# KiCad board motordecoder2-K3057.kicad_pcb
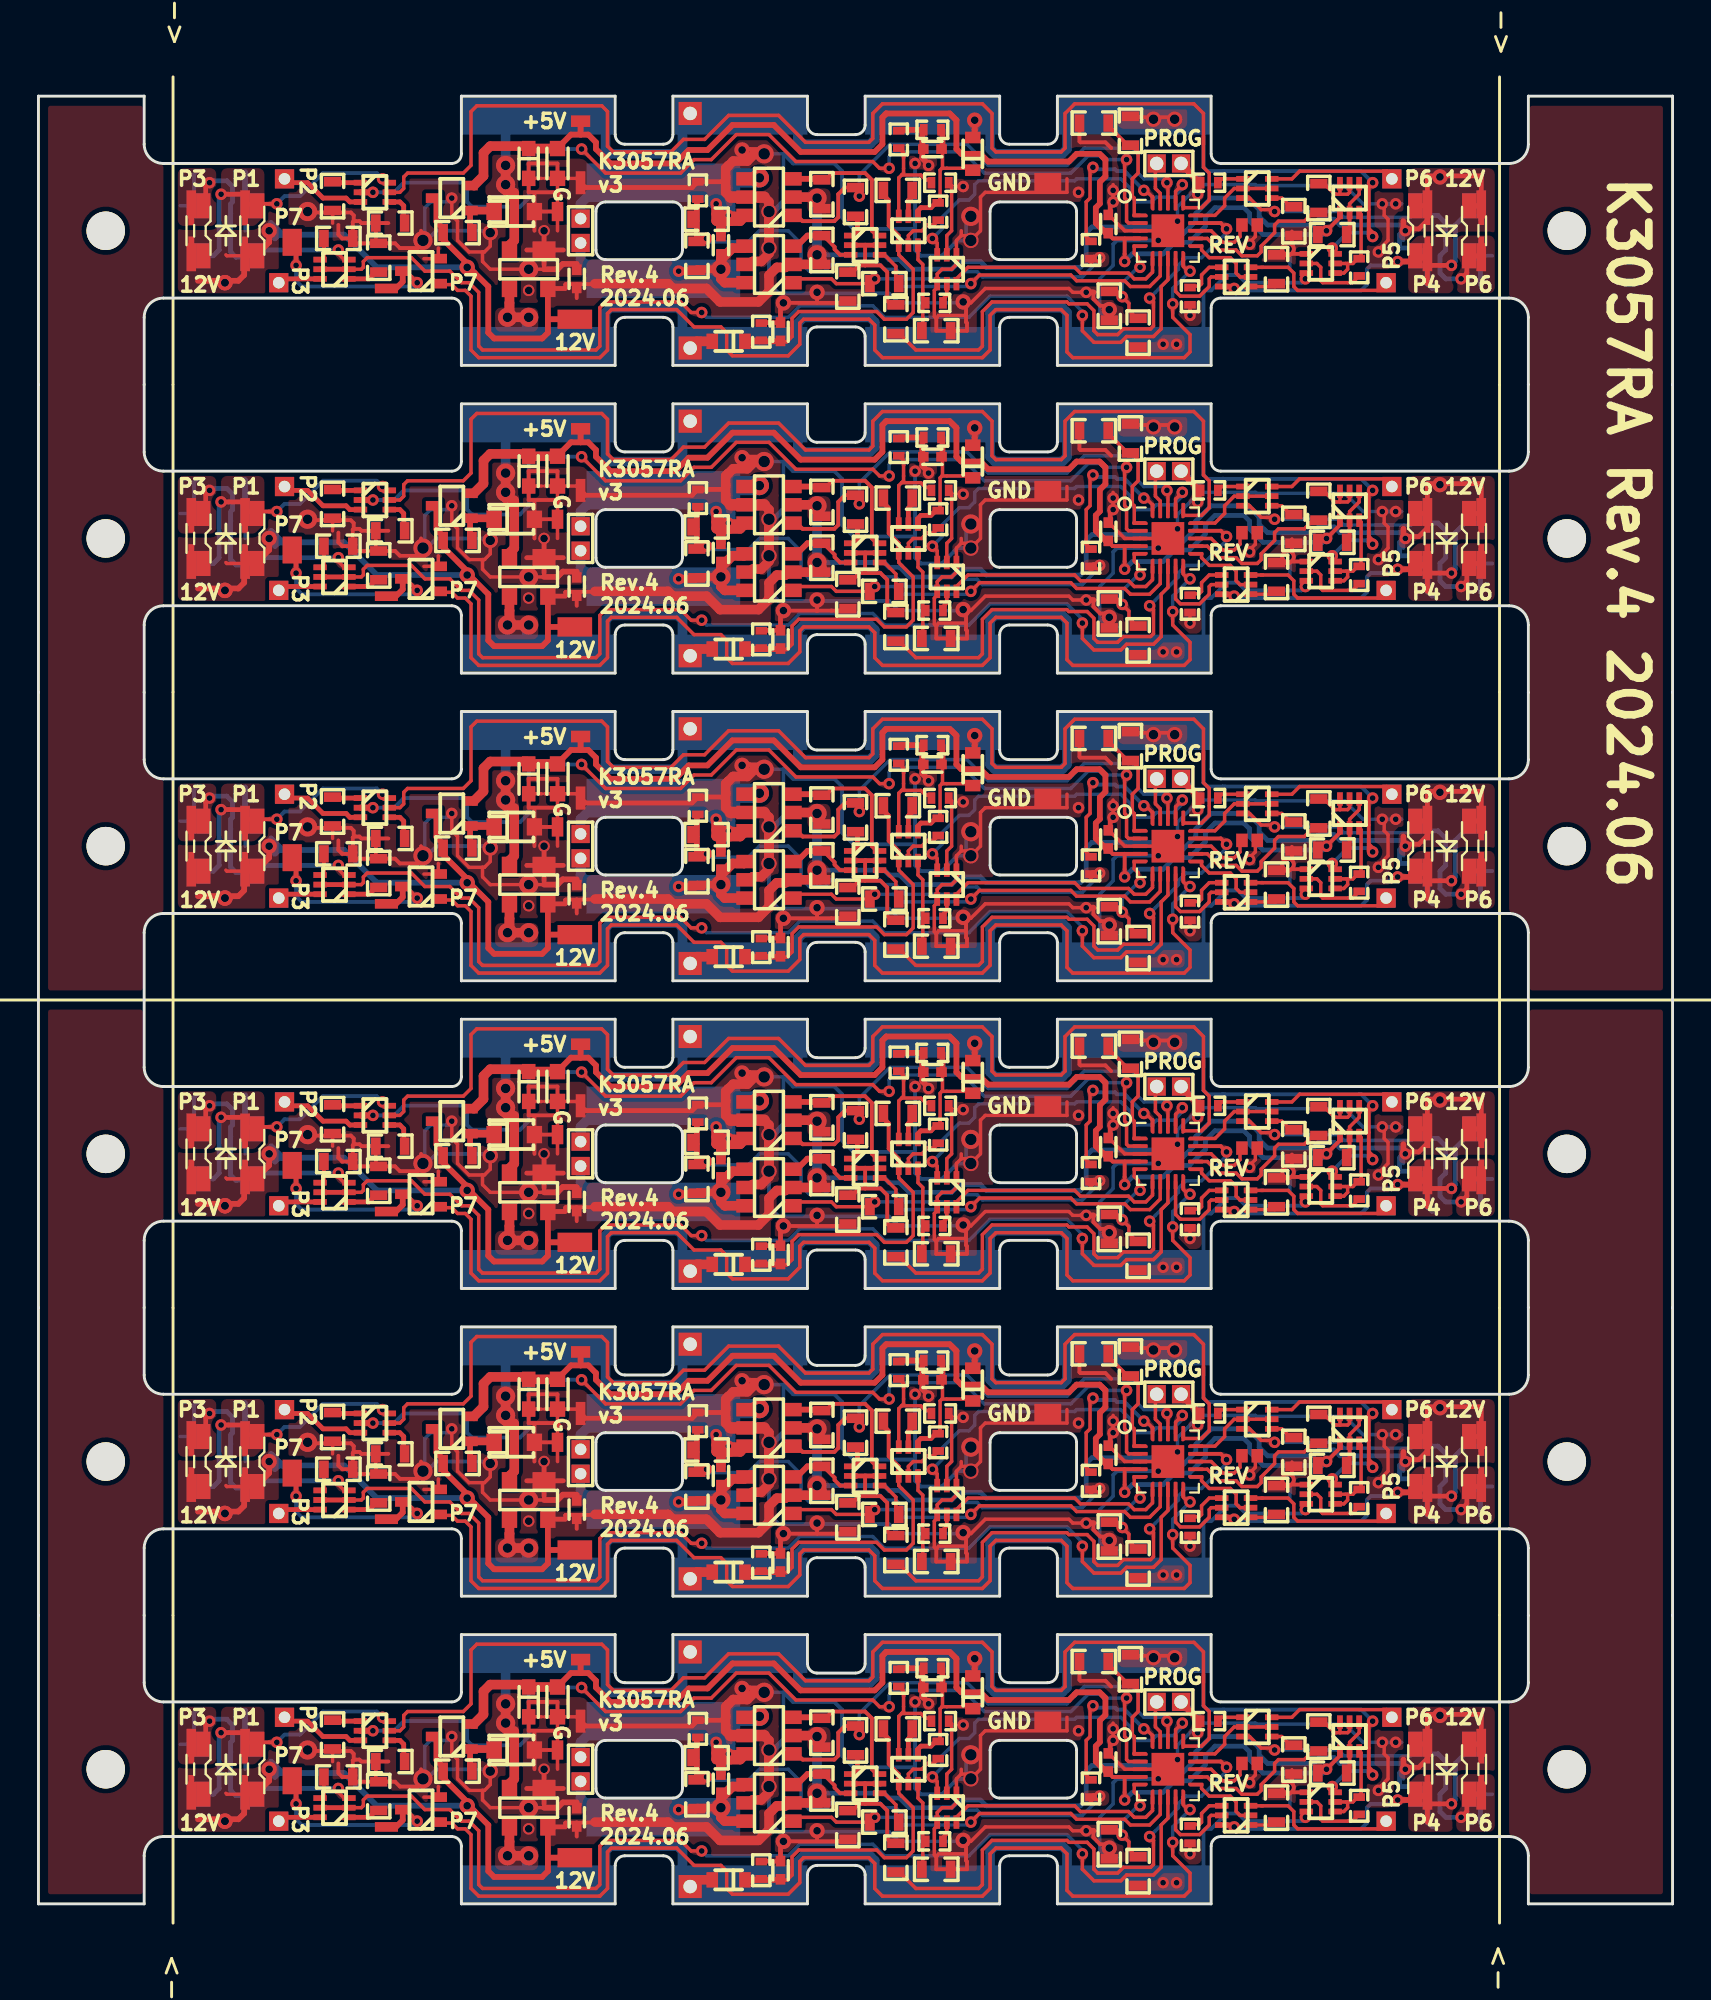
[diagram p0: board, top side]
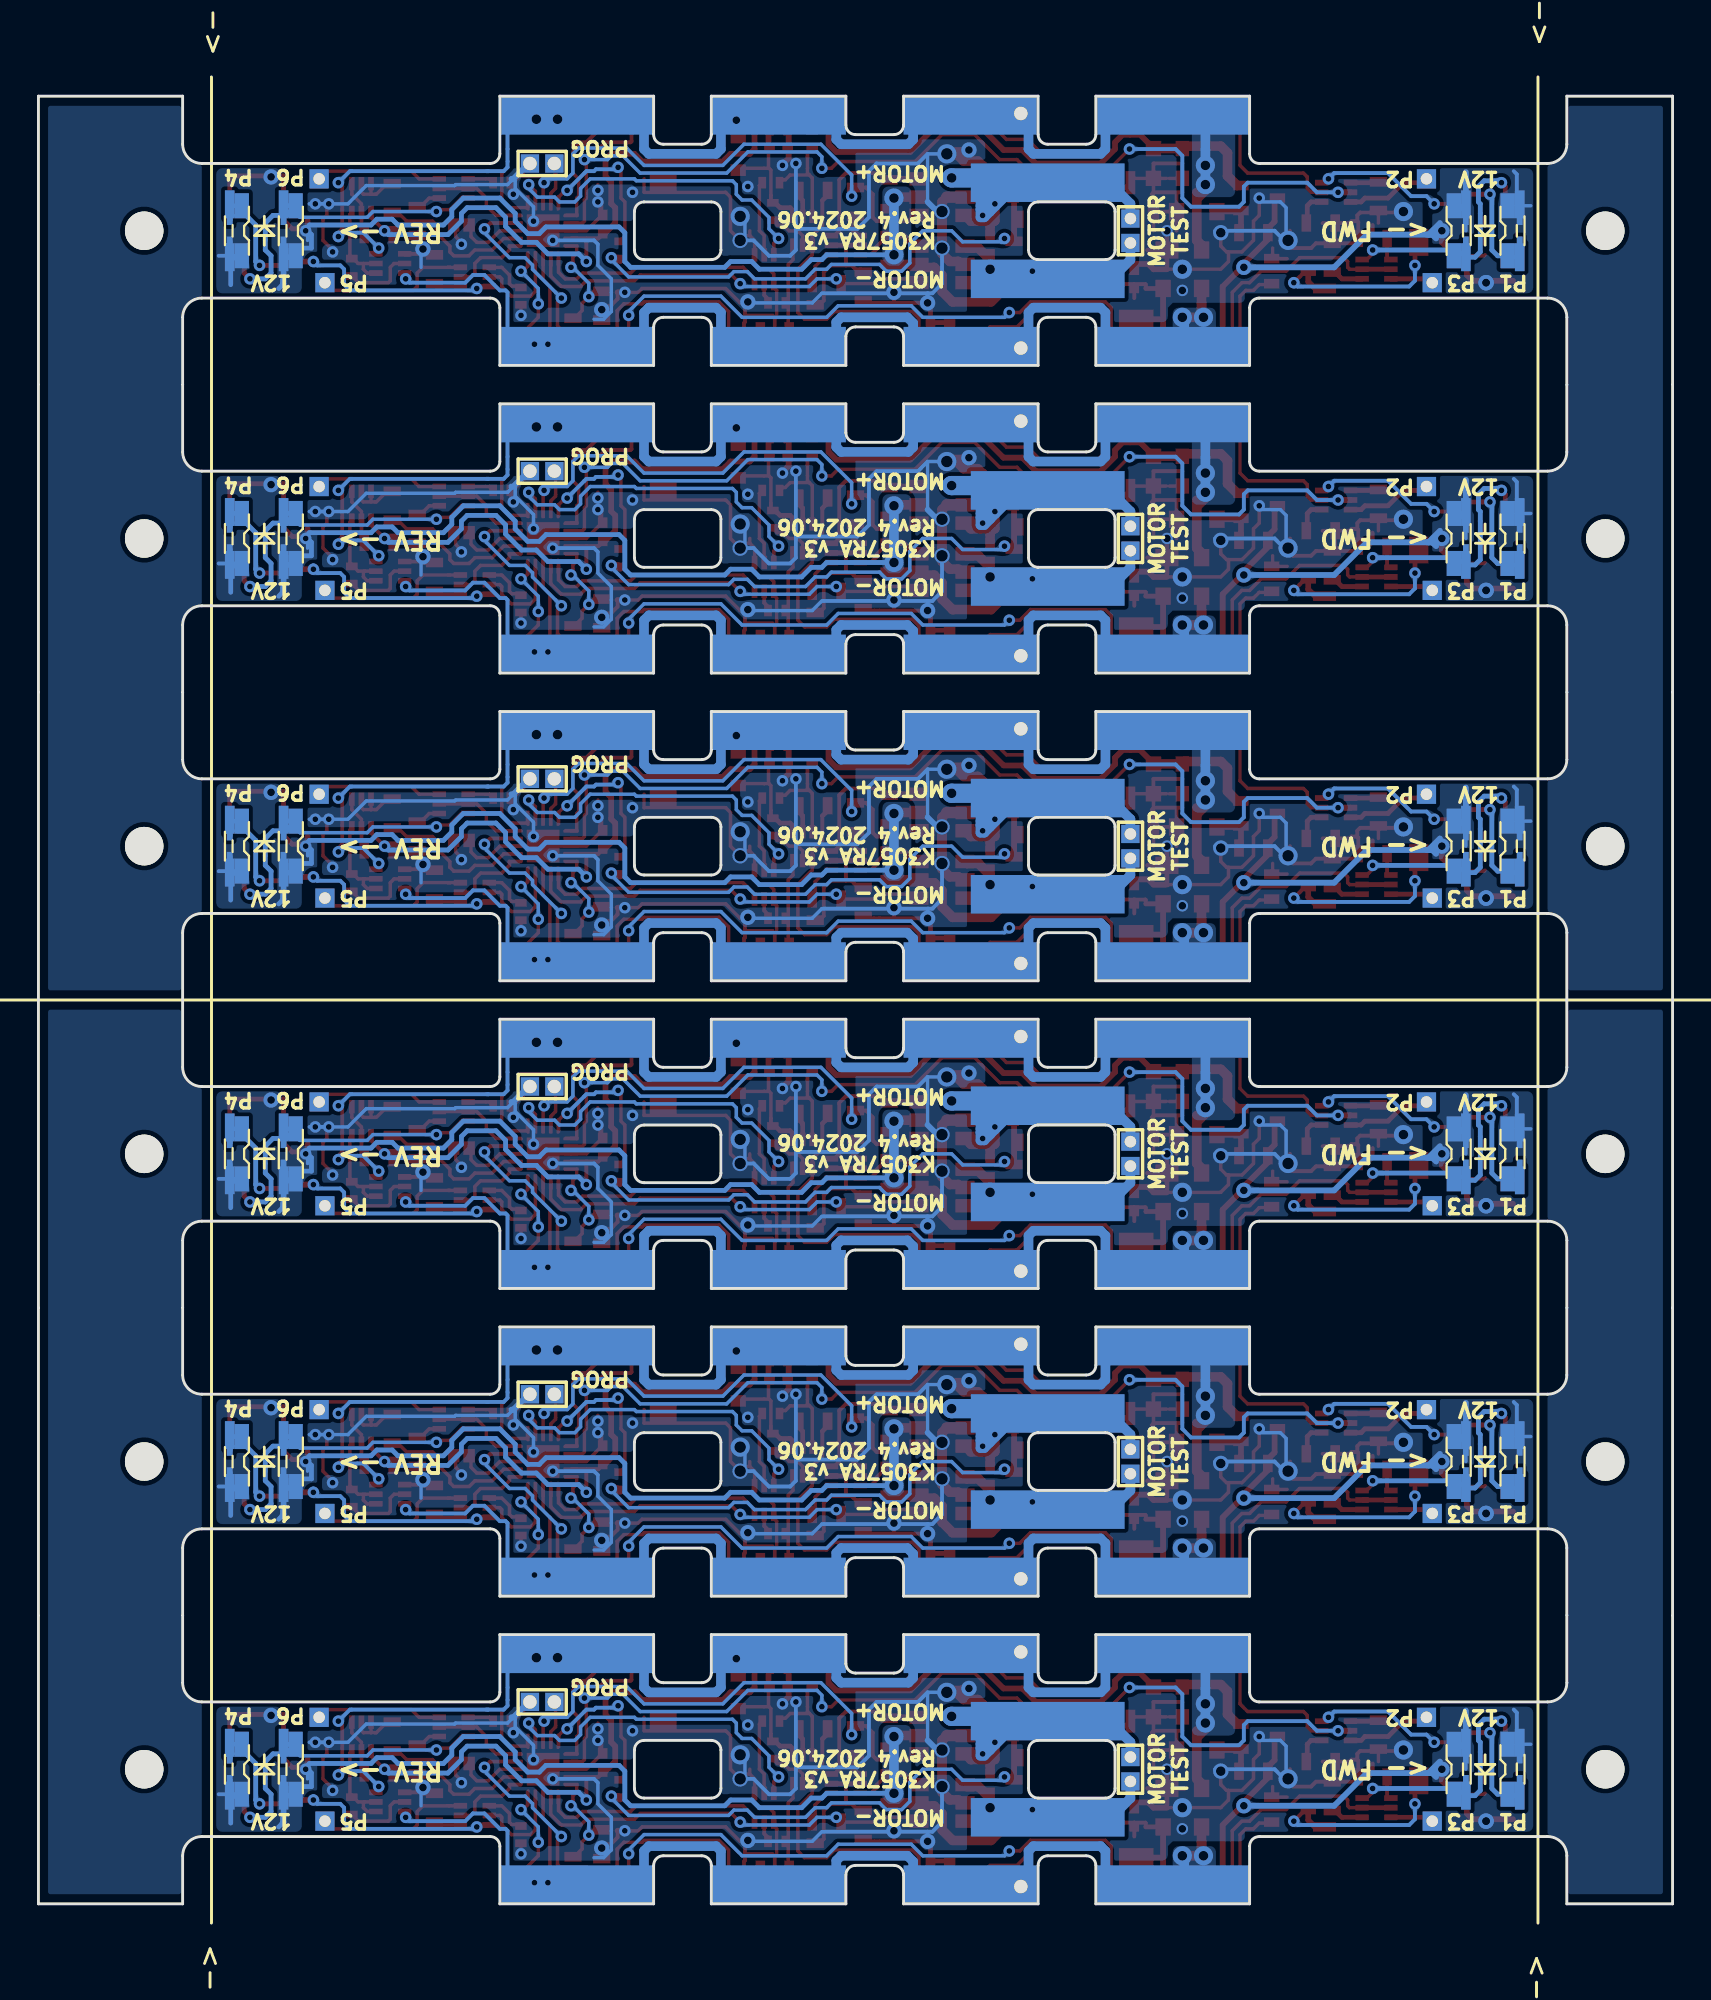
[diagram p1: board, bottom side, seen from below]

Outline 85 x 94 mm; copper layers: Top, Bottom. Coordinates in mm from the lower left corner of the outline.
Outline path: 0,94 0,0 5.5,0 5.5,2.5 arc(5.79,3.21) 6.5,3.5 21.5,3.5 arc(21.85,3.35) 22,3 22,0 30,0 30,2 arc(30.15,2.35) 30.5,2.5 32.5,2.5 arc(32.85,2.35) 33,2 33,0 40,0 40,1.5 arc(40.15,1.85) 40.5,2 42.5,2 arc(42.85,1.85) 43,1.5 43,0 50,0 50,2 arc(50.15,2.35) 50.5,2.5 52.5,2.5 arc(52.85,2.35) 53,2 53,0 61,0 61,3 arc(61.15,3.35) 61.5,3.5 76.5,3.5 arc(77.21,3.21) 77.5,2.5 77.5,0 85,0 85,94 77.5,94 77.5,91.5 arc(77.21,90.79) 76.5,90.5 61.5,90.5 arc(61.15,90.65) 61,91 61,94 53,94 53,92 arc(52.85,91.65) 52.5,91.5 50.5,91.5 arc(50.15,91.65) 50,92 50,94 43,94 43,92.5 arc(42.85,92.15) 42.5,92 40.5,92 arc(40.15,92.15) 40,92.5 40,94 33,94 33,92 arc(32.85,91.65) 32.5,91.5 30.5,91.5 arc(30.15,91.65) 30,92 30,94 22,94 22,91 arc(21.85,90.65) 21.5,90.5 6.5,90.5 arc(5.79,90.79) 5.5,91.5 5.5,94 0,94 ; 5.5,82.5 5.5,75.5 arc(5.79,74.79) 6.5,74.5 21.5,74.5 arc(21.85,74.65) 22,75 22,78 30,78 30,76 arc(30.15,75.65) 30.5,75.5 32.5,75.5 arc(32.85,75.65) 33,76 33,78 40,78 40,76.5 arc(40.15,76.15) 40.5,76 42.5,76 arc(42.85,76.15) 43,76.5 43,78 50,78 50,76 arc(50.15,75.65) 50.5,75.5 52.5,75.5 arc(52.85,75.65) 53,76 53,78 61,78 61,75 arc(61.15,74.65) 61.5,74.5 76.5,74.5 arc(77.21,74.79) 77.5,75.5 77.5,82.5 arc(77.21,83.21) 76.5,83.5 61.5,83.5 arc(61.15,83.35) 61,83 61,80 53,80 53,82 arc(52.85,82.35) 52.5,82.5 50.5,82.5 arc(50.15,82.35) 50,82 50,80 43,80 43,81.5 arc(42.85,81.85) 42.5,82 40.5,82 arc(40.15,81.85) 40,81.5 40,80 33,80 33,82 arc(32.85,82.35) 32.5,82.5 30.5,82.5 arc(30.15,82.35) 30,82 30,80 22,80 22,83 arc(21.85,83.35) 21.5,83.5 6.5,83.5 arc(5.79,83.21) 5.5,82.5 ; 5.5,66.5 5.5,59.5 arc(5.79,58.79) 6.5,58.5 21.5,58.5 arc(21.85,58.65) 22,59 22,62 30,62 30,60 arc(30.15,59.65) 30.5,59.5 32.5,59.5 arc(32.85,59.65) 33,60 33,62 40,62 40,60.5 arc(40.15,60.15) 40.5,60 42.5,60 arc(42.85,60.15) 43,60.5 43,62 50,62 50,60 arc(50.15,59.65) 50.5,59.5 52.5,59.5 arc(52.85,59.65) 53,60 53,62 61,62 61,59 arc(61.15,58.65) 61.5,58.5 76.5,58.5 arc(77.21,58.79) 77.5,59.5 77.5,66.5 arc(77.21,67.21) 76.5,67.5 61.5,67.5 arc(61.15,67.35) 61,67 61,64 53,64 53,66 arc(52.85,66.35) 52.5,66.5 50.5,66.5 arc(50.15,66.35) 50,66 50,64 43,64 43,65.5 arc(42.85,65.85) 42.5,66 40.5,66 arc(40.15,65.85) 40,65.5 40,64 33,64 33,66 arc(32.85,66.35) 32.5,66.5 30.5,66.5 arc(30.15,66.35) 30,66 30,64 22,64 22,67 arc(21.85,67.35) 21.5,67.5 6.5,67.5 arc(5.79,67.21) 5.5,66.5 ; 5.5,50.5 5.5,43.5 arc(5.79,42.79) 6.5,42.5 21.5,42.5 arc(21.85,42.65) 22,43 22,46 30,46 30,44 arc(30.15,43.65) 30.5,43.5 32.5,43.5 arc(32.85,43.65) 33,44 33,46 40,46 40,44.5 arc(40.15,44.15) 40.5,44 42.5,44 arc(42.85,44.15) 43,44.5 43,46 50,46 50,44 arc(50.15,43.65) 50.5,43.5 52.5,43.5 arc(52.85,43.65) 53,44 53,46 61,46 61,43 arc(61.15,42.65) 61.5,42.5 76.5,42.5 arc(77.21,42.79) 77.5,43.5 77.5,50.5 arc(77.21,51.21) 76.5,51.5 61.5,51.5 arc(61.15,51.35) 61,51 61,48 53,48 53,50 arc(52.85,50.35) 52.5,50.5 50.5,50.5 arc(50.15,50.35) 50,50 50,48 43,48 43,49.5 arc(42.85,49.85) 42.5,50 40.5,50 arc(40.15,49.85) 40,49.5 40,48 33,48 33,50 arc(32.85,50.35) 32.5,50.5 30.5,50.5 arc(30.15,50.35) 30,50 30,48 22,48 22,51 arc(21.85,51.35) 21.5,51.5 6.5,51.5 arc(5.79,51.21) 5.5,50.5 ; 5.5,34.5 5.5,27.5 arc(5.79,26.79) 6.5,26.5 21.5,26.5 arc(21.85,26.65) 22,27 22,30 30,30 30,28 arc(30.15,27.65) 30.5,27.5 32.5,27.5 arc(32.85,27.65) 33,28 33,30 40,30 40,28.5 arc(40.15,28.15) 40.5,28 42.5,28 arc(42.85,28.15) 43,28.5 43,30 50,30 50,28 arc(50.15,27.65) 50.5,27.5 52.5,27.5 arc(52.85,27.65) 53,28 53,30 61,30 61,27 arc(61.15,26.65) 61.5,26.5 76.5,26.5 arc(77.21,26.79) 77.5,27.5 77.5,34.5 arc(77.21,35.21) 76.5,35.5 61.5,35.5 arc(61.15,35.35) 61,35 61,32 53,32 53,34 arc(52.85,34.35) 52.5,34.5 50.5,34.5 arc(50.15,34.35) 50,34 50,32 43,32 43,33.5 arc(42.85,33.85) 42.5,34 40.5,34 arc(40.15,33.85) 40,33.5 40,32 33,32 33,34 arc(32.85,34.35) 32.5,34.5 30.5,34.5 arc(30.15,34.35) 30,34 30,32 22,32 22,35 arc(21.85,35.35) 21.5,35.5 6.5,35.5 arc(5.79,35.21) 5.5,34.5 ; 5.5,18.5 5.5,11.5 arc(5.79,10.79) 6.5,10.5 21.5,10.5 arc(21.85,10.65) 22,11 22,14 30,14 30,12 arc(30.15,11.65) 30.5,11.5 32.5,11.5 arc(32.85,11.65) 33,12 33,14 40,14 40,12.5 arc(40.15,12.15) 40.5,12 42.5,12 arc(42.85,12.15) 43,12.5 43,14 50,14 50,12 arc(50.15,11.65) 50.5,11.5 52.5,11.5 arc(52.85,11.65) 53,12 53,14 61,14 61,11 arc(61.15,10.65) 61.5,10.5 76.5,10.5 arc(77.21,10.79) 77.5,11.5 77.5,18.5 arc(77.21,19.21) 76.5,19.5 61.5,19.5 arc(61.15,19.35) 61,19 61,16 53,16 53,18 arc(52.85,18.35) 52.5,18.5 50.5,18.5 arc(50.15,18.35) 50,18 50,16 43,16 43,17.5 arc(42.85,17.85) 42.5,18 40.5,18 arc(40.15,17.85) 40,17.5 40,16 33,16 33,18 arc(32.85,18.35) 32.5,18.5 30.5,18.5 arc(30.15,18.35) 30,18 30,16 22,16 22,19 arc(21.85,19.35) 21.5,19.5 6.5,19.5 arc(5.79,19.21) 5.5,18.5 ; 29,88 29,86 arc(29.15,85.65) 29.5,85.5 33,85.5 arc(33.35,85.65) 33.5,86 33.5,88 arc(33.35,88.35) 33,88.5 29.5,88.5 arc(29.15,88.35) 29,88 ; 29,72 29,70 arc(29.15,69.65) 29.5,69.5 33,69.5 arc(33.35,69.65) 33.5,70 33.5,72 arc(33.35,72.35) 33,72.5 29.5,72.5 arc(29.15,72.35) 29,72 ; 29,56 29,54 arc(29.15,53.65) 29.5,53.5 33,53.5 arc(33.35,53.65) 33.5,54 33.5,56 arc(33.35,56.35) 33,56.5 29.5,56.5 arc(29.15,56.35) 29,56 ; 29,40 29,38 arc(29.15,37.65) 29.5,37.5 33,37.5 arc(33.35,37.65) 33.5,38 33.5,40 arc(33.35,40.35) 33,40.5 29.5,40.5 arc(29.15,40.35) 29,40 ; 29,24 29,22 arc(29.15,21.65) 29.5,21.5 33,21.5 arc(33.35,21.65) 33.5,22 33.5,24 arc(33.35,24.35) 33,24.5 29.5,24.5 arc(29.15,24.35) 29,24 ; 29,8 29,6 arc(29.15,5.65) 29.5,5.5 33,5.5 arc(33.35,5.65) 33.5,6 33.5,8 arc(33.35,8.35) 33,8.5 29.5,8.5 arc(29.15,8.35) 29,8 ; 49.5,88 arc(49.65,88.35) 50,88.5 53.5,88.5 arc(53.85,88.35) 54,88 54,86 arc(53.85,85.65) 53.5,85.5 50,85.5 arc(49.65,85.65) 49.5,86 49.5,88 ; 49.5,72 arc(49.65,72.35) 50,72.5 53.5,72.5 arc(53.85,72.35) 54,72 54,70 arc(53.85,69.65) 53.5,69.5 50,69.5 arc(49.65,69.65) 49.5,70 49.5,72 ; 49.5,56 arc(49.65,56.35) 50,56.5 53.5,56.5 arc(53.85,56.35) 54,56 54,54 arc(53.85,53.65) 53.5,53.5 50,53.5 arc(49.65,53.65) 49.5,54 49.5,56 ; 49.5,40 arc(49.65,40.35) 50,40.5 53.5,40.5 arc(53.85,40.35) 54,40 54,38 arc(53.85,37.65) 53.5,37.5 50,37.5 arc(49.65,37.65) 49.5,38 49.5,40 ; 49.5,24 arc(49.65,24.35) 50,24.5 53.5,24.5 arc(53.85,24.35) 54,24 54,22 arc(53.85,21.65) 53.5,21.5 50,21.5 arc(49.65,21.65) 49.5,22 49.5,24 ; 49.5,8 arc(49.65,8.35) 50,8.5 53.5,8.5 arc(53.85,8.35) 54,8 54,6 arc(53.85,5.65) 53.5,5.5 50,5.5 arc(49.65,5.65) 49.5,6 49.5,8
Stack: Top 0.035mm / dielectric 0.51mm FR4 er 4.5 / Bottom 0.035mm

## Placement (name value [footprint] x y rotation side)
C1  104  [C_1005_v4]  28 84.5 90 top
C2  104  [C_1005_v4]  28 68.5 90 top
C3  226  [C_1608_v4]  27 90.5 270 top
C4  476  [CP_1608]  25.5 90.5 270 top
C5  104  [C_1005_v4]  55.65 87.35 90 top
C6  226  [C_1608_v4]  27 74.5 270 top
C7  182  [C_1005_v4]  35.5 86.25 270 top
C8  476  [CP_1608]  25.5 74.5 270 top
C9  104  [C_1005_v4]  55.65 71.35 90 top
C10  182  [C_1005_v4]  35.5 70.25 270 top
C11  105  [C_1005_v4]  46.5 91.25 180 top
C12  105  [C_1005_v4]  38.6 81.75 90 top
C13  105  [C_1005_v4]  46.5 75.25 180 top
C14  105  [C_1005_v4]  38.6 65.75 90 top
C15  104  [C_1005_v4]  28 52.5 90 top
C16  226  [C_1608_v4]  27 58.5 270 top
C17  476  [CP_1608]  25.5 58.5 270 top
C18  104  [C_1005_v4]  55.65 55.35 90 top
C19  182  [C_1005_v4]  35.5 54.25 270 top
C20  105  [C_1005_v4]  46.5 59.25 180 top
C21  105  [C_1005_v4]  38.6 49.75 90 top
C22  104  [C_1005_v4]  28 36.5 90 top
C23  226  [C_1608_v4]  27 42.5 270 top
C24  476  [CP_1608]  25.5 42.5 270 top
C25  104  [C_1005_v4]  55.65 39.35 90 top
C26  182  [C_1005_v4]  35.5 38.25 270 top
C27  105  [C_1005_v4]  46.5 43.25 180 top
C28  105  [C_1005_v4]  38.6 33.75 90 top
C29  104  [C_1005_v4]  28 20.5 90 top
C30  226  [C_1608_v4]  27 26.5 270 top
C31  476  [CP_1608]  25.5 26.5 270 top
C32  104  [C_1005_v4]  55.65 23.35 90 top
C33  182  [C_1005_v4]  35.5 22.25 270 top
C34  105  [C_1005_v4]  46.5 27.25 180 top
C35  105  [C_1005_v4]  38.6 17.75 90 top
C36  104  [C_1005_v4]  28 4.5 90 top
C37  226  [C_1608_v4]  27 10.5 270 top
C38  476  [CP_1608]  25.5 10.5 270 top
C39  104  [C_1005_v4]  55.65 7.35 90 top
C40  182  [C_1005_v4]  35.5 6.25 270 top
C41  105  [C_1005_v4]  46.5 11.25 180 top
C42  105  [C_1005_v4]  38.6 1.75 90 top
D1  BAS3007  [SOT-143]  25.5 85 180 top
D2  BAS3007  [SOT-143]  25.5 69 180 top
D3  UDZV5.6B  [UMD2]  24.75 88 180 top
D4  UDZV5.6B  [UMD2]  24.75 72 180 top
D5  BAS3007  [SOT-143]  25.5 53 180 top
D6  UDZV5.6B  [UMD2]  24.75 56 180 top
D7  BAS3007  [SOT-143]  25.5 37 180 top
D8  UDZV5.6B  [UMD2]  24.75 40 180 top
D9  BAS3007  [SOT-143]  25.5 21 180 top
D10  UDZV5.6B  [UMD2]  24.75 24 180 top
D11  LED  [LED_1224_1005_SIDE_BIG2]  10.5 87 270 top
D12  LED  [LED_1224_1005_SIDE_BIG2]  72.5 87 90 top
D13  LED  [LED_1224_1005_SIDE_BIG2]  7.7 87 90 bottom
D14  LED  [LED_1224_1005_SIDE_BIG2]  75.3 87 270 bottom
D15  LED  [LED_1224_1005_SIDE_BIG2]  72.5 87 270 bottom
D16  LED  [LED_1224_1005_SIDE_BIG2]  10.5 87 90 bottom
D17  LED  [LED_1224_1005_SIDE_BIG2]  75.3 87 90 top
D18  LED  [LED_1224_1005_SIDE_BIG2]  7.7 87 270 top
D19  LED  [LED_1224_1005_SIDE_BIG2]  10.5 71 270 top
D20  LED  [LED_1224_1005_SIDE_BIG2]  72.5 71 90 top
D21  BAT43XV2  [EMD2_small]  48.6 91 270 top
D22  BAT43XV2  [EMD2_small]  35.9 81.25 0 top
D23  LED  [LED_1224_1005_SIDE_BIG2]  7.7 71 90 bottom
D24  LED  [LED_1224_1005_SIDE_BIG2]  75.3 71 270 bottom
D25  LED  [LED_1224_1005_SIDE_BIG2]  72.5 71 270 bottom
D26  LED  [LED_1224_1005_SIDE_BIG2]  10.5 71 90 bottom
D27  LED  [LED_1224_1005_SIDE_BIG2]  75.3 71 90 top
D28  LED  [LED_1224_1005_SIDE_BIG2]  7.7 71 270 top
D29  BAT43XV2  [EMD2_small]  48.6 75 270 top
D30  BAT43XV2  [EMD2_small]  35.9 65.25 0 top
D31  LED  [LED_1224_1005_SIDE_BIG2]  10.5 55 270 top
D32  LED  [LED_1224_1005_SIDE_BIG2]  72.5 55 90 top
D33  LED  [LED_1224_1005_SIDE_BIG2]  7.7 55 90 bottom
D34  LED  [LED_1224_1005_SIDE_BIG2]  75.3 55 270 bottom
D35  LED  [LED_1224_1005_SIDE_BIG2]  72.5 55 270 bottom
D36  LED  [LED_1224_1005_SIDE_BIG2]  10.5 55 90 bottom
D37  LED  [LED_1224_1005_SIDE_BIG2]  75.3 55 90 top
D38  LED  [LED_1224_1005_SIDE_BIG2]  7.7 55 270 top
D39  BAT43XV2  [EMD2_small]  48.6 59 270 top
D40  BAT43XV2  [EMD2_small]  35.9 49.25 0 top
D41  LED  [LED_1224_1005_SIDE_BIG2]  10.5 39 270 top
D42  LED  [LED_1224_1005_SIDE_BIG2]  72.5 39 90 top
D43  LED  [LED_1224_1005_SIDE_BIG2]  7.7 39 90 bottom
D44  LED  [LED_1224_1005_SIDE_BIG2]  75.3 39 270 bottom
D45  LED  [LED_1224_1005_SIDE_BIG2]  72.5 39 270 bottom
D46  LED  [LED_1224_1005_SIDE_BIG2]  10.5 39 90 bottom
D47  LED  [LED_1224_1005_SIDE_BIG2]  75.3 39 90 top
D48  LED  [LED_1224_1005_SIDE_BIG2]  7.7 39 270 top
D49  BAT43XV2  [EMD2_small]  48.6 43 270 top
D50  BAT43XV2  [EMD2_small]  35.9 33.25 0 top
D51  LED  [LED_1224_1005_SIDE_BIG2]  10.5 23 270 top
D52  LED  [LED_1224_1005_SIDE_BIG2]  72.5 23 90 top
D53  LED  [LED_1224_1005_SIDE_BIG2]  7.7 23 90 bottom
D54  LED  [LED_1224_1005_SIDE_BIG2]  75.3 23 270 bottom
D55  LED  [LED_1224_1005_SIDE_BIG2]  72.5 23 270 bottom
D56  LED  [LED_1224_1005_SIDE_BIG2]  10.5 23 90 bottom
D57  LED  [LED_1224_1005_SIDE_BIG2]  75.3 23 90 top
D58  LED  [LED_1224_1005_SIDE_BIG2]  7.7 23 270 top
D59  BAT43XV2  [EMD2_small]  48.6 27 270 top
D60  BAT43XV2  [EMD2_small]  35.9 17.25 0 top
D61  BAS3007  [SOT-143]  25.5 5 180 top
D62  UDZV5.6B  [UMD2]  24.75 8 180 top
D63  LED  [LED_1224_1005_SIDE_BIG2]  10.5 7 270 top
D64  LED  [LED_1224_1005_SIDE_BIG2]  72.5 7 90 top
D65  LED  [LED_1224_1005_SIDE_BIG2]  7.7 7 90 bottom
D66  LED  [LED_1224_1005_SIDE_BIG2]  75.3 7 270 bottom
D67  LED  [LED_1224_1005_SIDE_BIG2]  72.5 7 270 bottom
D68  LED  [LED_1224_1005_SIDE_BIG2]  10.5 7 90 bottom
D69  LED  [LED_1224_1005_SIDE_BIG2]  75.3 7 90 top
D70  LED  [LED_1224_1005_SIDE_BIG2]  7.7 7 270 top
D71  BAT43XV2  [EMD2_small]  48.6 11 270 top
D72  BAT43XV2  [EMD2_small]  35.9 1.25 0 top
J12  PAD  [PAD_1.0x1.0_Hole0.6]  70.1 84.3 0 top
J13  PAD  [PAD_1.0x1.0_Hole0.6]  70.1 68.3 0 top
J14  PAD  [PAD_1.0x1.0_Hole0.6]  12.5 84.3 0 top
J15  PAD  [PAD_1.0x1.0_Hole0.6]  12.5 68.3 0 top
J16  PAD  [PAD_1.0x1.0_Hole0.6]  70.4 89.7 0 top
J17  PAD  [PAD_1.0x1.0_Hole0.6]  70.4 73.7 0 top
J18  PAD  [PAD_1.0x1.0_Hole0.6]  12.8 89.7 0 top
J19  PAD  [PAD_1.0x1.4_SMD]  13.2 86.4 180 top
J20  PAD  [PAD_0.5x1.2_SMD]  18.1 84 90 top
J21  PAD  [PAD_1.0x1.0_Hole0.6]  12.8 73.7 0 top
J22  PAD  [PAD_1.0x1.4_SMD]  13.2 70.4 180 top
J23  PAD  [PAD_0.5x1.2_SMD]  18.1 68 90 top
J24  PAD  [PAD_1.0x1.0_Hole0.6]  70.1 52.3 0 top
J25  PAD  [PAD_1.0x1.0_Hole0.6]  12.5 52.3 0 top
J26  PAD  [PAD_1.0x1.0_Hole0.6]  70.4 57.7 0 top
J27  PAD  [PAD_1.0x1.0_Hole0.6]  12.8 57.7 0 top
J28  PAD  [PAD_1.0x1.4_SMD]  13.2 54.4 180 top
J29  PAD  [PAD_0.5x1.2_SMD]  18.1 52 90 top
J30  PAD  [PAD_1.0x1.0_Hole0.6]  70.1 36.3 0 top
J31  PAD  [PAD_1.0x1.0_Hole0.6]  12.5 36.3 0 top
J32  PAD  [PAD_1.0x1.0_Hole0.6]  70.4 41.7 0 top
J33  PAD  [PAD_1.0x1.0_Hole0.6]  12.8 41.7 0 top
J34  PAD  [PAD_1.0x1.4_SMD]  13.2 38.4 180 top
J35  PAD  [PAD_0.5x1.2_SMD]  18.1 36 90 top
J36  PAD  [PAD_1.0x1.0_Hole0.6]  70.1 20.3 0 top
J37  PAD  [PAD_1.0x1.0_Hole0.6]  12.5 20.3 0 top
J38  PAD  [PAD_1.0x1.0_Hole0.6]  70.4 25.7 0 top
J39  PAD  [PAD_1.0x1.0_Hole0.6]  12.8 25.7 0 top
J40  PAD  [PAD_1.0x1.4_SMD]  13.2 22.4 180 top
J41  PAD  [PAD_0.5x1.2_SMD]  18.1 20 90 top
J42  PAD  [PAD_1.0x1.0_Hole0.6]  70.1 4.3 0 top
J43  PAD  [PAD_1.0x1.0_Hole0.6]  12.5 4.3 0 top
J44  PAD  [PAD_1.0x1.0_Hole0.6]  70.4 9.7 0 top
J45  PAD  [PAD_1.0x1.0_Hole0.6]  12.8 9.7 0 top
J46  PAD  [PAD_1.0x1.4_SMD]  13.2 6.4 180 top
J47  PAD  [PAD_0.5x1.2_SMD]  18.1 4 90 top
JP1  Jumper  [SOLDER_CONN_PAD_0.7mm_1.4mm]  63 87.3 0 top
JP2  Jumper  [SOLDER_CONN_PAD_0.7mm_1.4mm]  63 71.3 0 top
JP3  Jumper  [SOLDER_CONN_PAD_0.7mm_1.4mm]  63 55.3 0 top
JP4  Jumper  [SOLDER_CONN_PAD_0.7mm_1.4mm]  63 39.3 0 top
JP5  Jumper  [SOLDER_CONN_PAD_0.7mm_1.4mm]  63 23.3 0 top
JP6  Jumper  [SOLDER_CONN_PAD_0.7mm_1.4mm]  63 7.3 0 top
P7  PAD  [PAD_1.0x1.8_SMD]  27.9 82.4 270 top
P8  PAD  [PAD_0.6x1.0_SMD]  27 88 0 top
P9  PROG  [PAD_PROG_2PIN_HOLE0.7]  58.8 90.5 0 top
P10  PAD  [PAD_0.6x1.0_SMD]  28.2 92.7 90 top
P11  PAD  [PAD_0.5x1.2_SMD]  28.2 89.5 0 top
P12  PAD  [PAD_1.0x1.4_SMD]  52.5 89.5 90 top
P13  PAD  [PAD_1.0x1.8_SMD]  27.9 66.4 270 top
P14  PAD  [PAD_0.6x1.0_SMD]  27 72 0 top
P15  PROG  [PAD_PROG_2PIN_HOLE0.7]  58.8 74.5 0 top
P16  PAD  [PAD_0.6x1.0_SMD]  28.2 76.7 90 top
P17  PAD  [PAD_0.5x1.2_SMD]  28.2 73.5 0 top
P18  PAD  [PAD_1.0x1.4_SMD]  52.5 73.5 90 top
P19  PAD  [PAD_1.0x1.8_SMD]  27.9 50.4 270 top
P20  PAD  [PAD_0.6x1.0_SMD]  27 56 0 top
P21  PAD  [KATO_RAILPAD_3057_8mm]  26 93 0 top
P22  PAD  [KATO_RAILPAD_3057_7mm]  36.5 93 0 top
P23  PAD  [KATO_RAILPAD_3057_7mm]  46.5 93 0 top
P24  PAD  [KATO_RAILPAD_3057_8mm]  57 93 0 top
P25  PAD  [KATO_RAILPAD_3057_8mm]  26 81 0 top
P26  PAD  [KATO_RAILPAD_3057_7mm]  36.5 81 0 top
P27  PAD  [KATO_RAILPAD_3057_7mm]  46.5 81 0 top
P28  PAD  [KATO_RAILPAD_3057_8mm]  57 81 0 top
P29  PAD  [KATO_RAILPAD_3057_8mm]  32.5 89.5 0 top
P30  PAD  [KATO_RAILPAD_3057_8mm]  26 77 0 top
P31  PAD  [KATO_RAILPAD_3057_8mm]  32.5 84.5 0 top
P32  TEST  [PAD_2mm_2PIN_HOLE0.6]  28.2 87 270 top
P33  TEST  [PAD_1.2x1.2_Hole0.7]  33.9 93.1 0 top
P34  TEST  [PAD_1.2x1.2_Hole0.7]  33.9 80.9 0 top
P35  PAD  [KATO_RAILPAD_3057_7mm]  36.5 77 0 top
P36  PAD  [KATO_RAILPAD_3057_7mm]  46.5 77 0 top
P37  PAD  [KATO_RAILPAD_3057_8mm]  57 77 0 top
P38  PAD  [KATO_RAILPAD_3057_8mm]  26 65 0 top
P39  PAD  [KATO_RAILPAD_3057_7mm]  36.5 65 0 top
P40  PAD  [KATO_RAILPAD_3057_7mm]  46.5 65 0 top
P41  PAD  [KATO_RAILPAD_3057_8mm]  57 65 0 top
P42  PAD  [KATO_RAILPAD_3057_8mm]  32.5 73.5 0 top
P43  PAD  [KATO_RAILPAD_3057_8mm]  32.5 68.5 0 top
P44  TEST  [PAD_2mm_2PIN_HOLE0.6]  28.2 71 270 top
P45  TEST  [PAD_1.2x1.2_Hole0.7]  33.9 77.1 0 top
P46  TEST  [PAD_1.2x1.2_Hole0.7]  33.9 64.9 0 top
P47  PROG  [PAD_PROG_2PIN_HOLE0.7]  58.8 58.5 0 top
P48  PAD  [PAD_0.6x1.0_SMD]  28.2 60.7 90 top
P49  PAD  [PAD_0.5x1.2_SMD]  28.2 57.5 0 top
P50  PAD  [PAD_1.0x1.4_SMD]  52.5 57.5 90 top
P51  PAD  [KATO_RAILPAD_3057_8mm]  26 61 0 top
P52  PAD  [KATO_RAILPAD_3057_7mm]  36.5 61 0 top
P53  PAD  [KATO_RAILPAD_3057_7mm]  46.5 61 0 top
P54  PAD  [KATO_RAILPAD_3057_8mm]  57 61 0 top
P55  PAD  [KATO_RAILPAD_3057_8mm]  26 49 0 top
P56  PAD  [KATO_RAILPAD_3057_7mm]  36.5 49 0 top
P57  PAD  [KATO_RAILPAD_3057_7mm]  46.5 49 0 top
P58  PAD  [KATO_RAILPAD_3057_8mm]  57 49 0 top
P59  PAD  [KATO_RAILPAD_3057_8mm]  32.5 57.5 0 top
P60  PAD  [KATO_RAILPAD_3057_8mm]  32.5 52.5 0 top
P61  TEST  [PAD_2mm_2PIN_HOLE0.6]  28.2 55 270 top
P62  TEST  [PAD_1.2x1.2_Hole0.7]  33.9 61.1 0 top
P63  TEST  [PAD_1.2x1.2_Hole0.7]  33.9 48.9 0 top
P64  PAD  [PAD_1.0x1.8_SMD]  27.9 34.4 270 top
P65  PAD  [PAD_0.6x1.0_SMD]  27 40 0 top
P66  PROG  [PAD_PROG_2PIN_HOLE0.7]  58.8 42.5 0 top
P67  PAD  [PAD_0.6x1.0_SMD]  28.2 44.7 90 top
P68  PAD  [PAD_0.5x1.2_SMD]  28.2 41.5 0 top
P69  PAD  [PAD_1.0x1.4_SMD]  52.5 41.5 90 top
P70  PAD  [KATO_RAILPAD_3057_8mm]  26 45 0 top
P71  PAD  [KATO_RAILPAD_3057_7mm]  36.5 45 0 top
P72  PAD  [KATO_RAILPAD_3057_7mm]  46.5 45 0 top
P73  PAD  [KATO_RAILPAD_3057_8mm]  57 45 0 top
P74  PAD  [KATO_RAILPAD_3057_8mm]  26 33 0 top
P75  PAD  [KATO_RAILPAD_3057_7mm]  36.5 33 0 top
P76  PAD  [KATO_RAILPAD_3057_7mm]  46.5 33 0 top
P77  PAD  [KATO_RAILPAD_3057_8mm]  57 33 0 top
P78  PAD  [KATO_RAILPAD_3057_8mm]  32.5 41.5 0 top
P79  PAD  [KATO_RAILPAD_3057_8mm]  32.5 36.5 0 top